# Altium PCB PCB_15122020_01CA.PcbDoc (part 1 of 5) (continued)
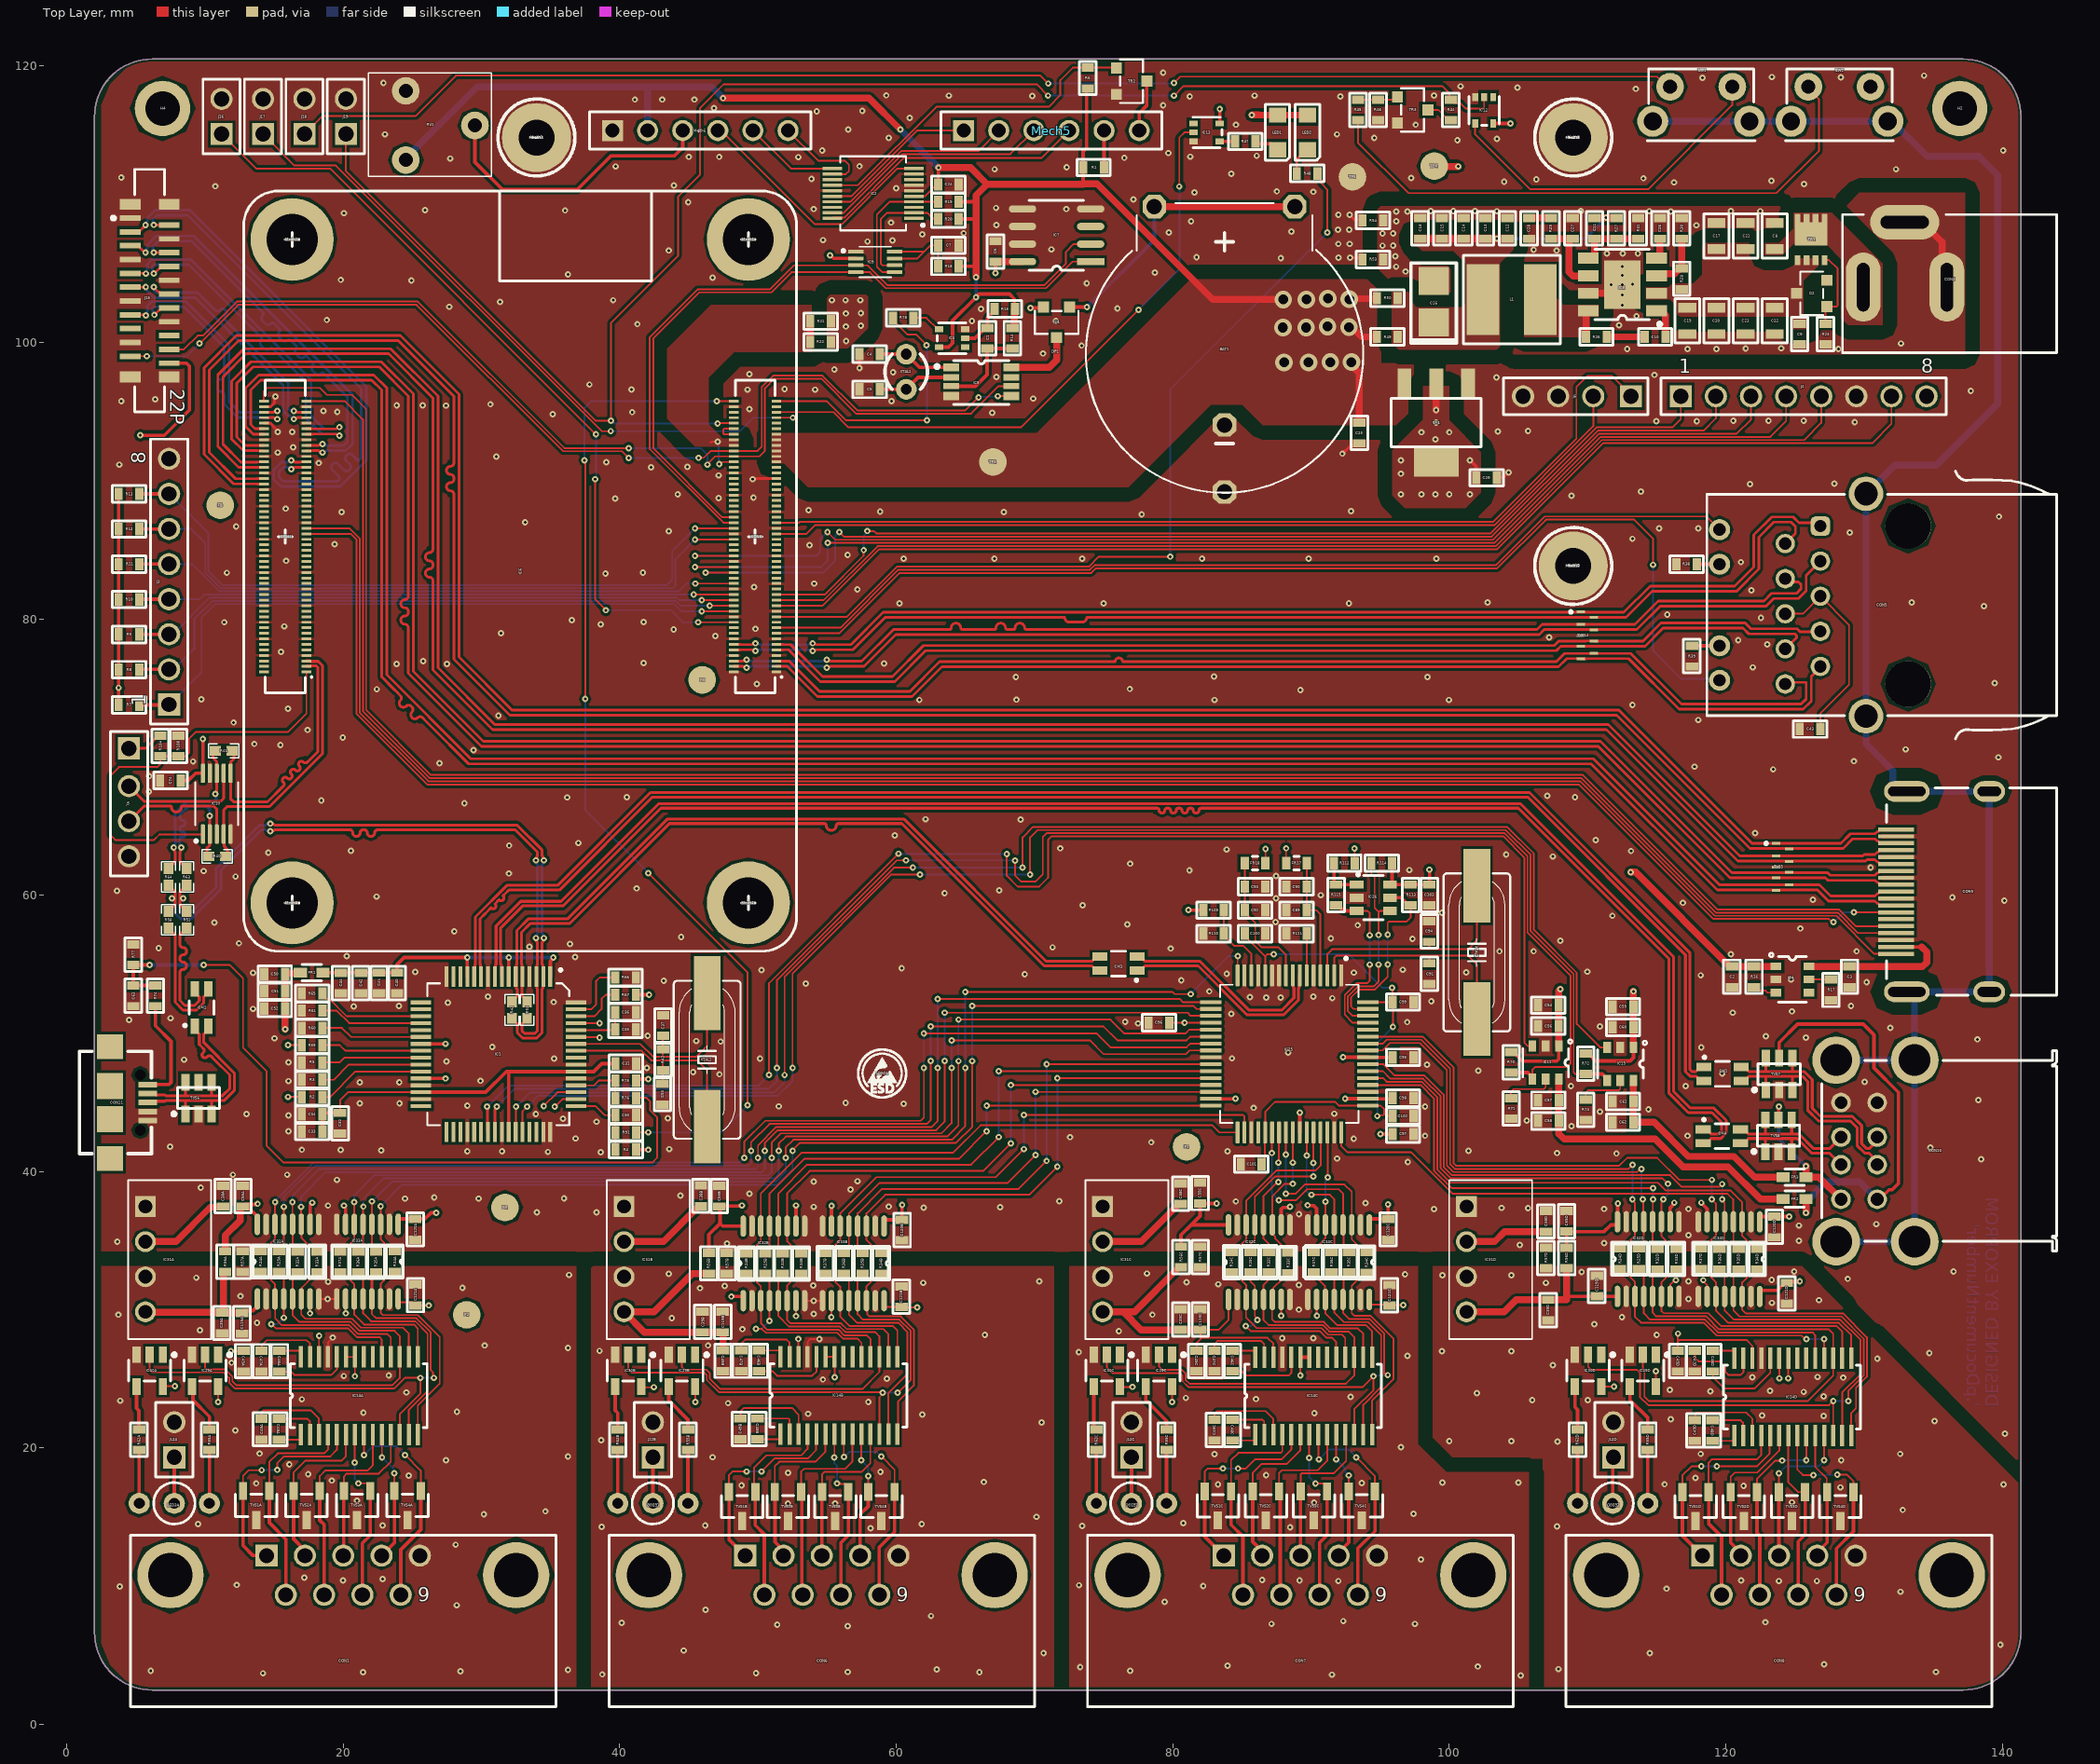
[diagram p0: Top Layer view]
## Components (designator, comment, footprint, x,y, rotation, side; value= is the part's Value field where it differs from the comment) (continued)
IC30B "SN74LVC1G04DBVR" SOT-23-5 40.618,25.6 r180 top (schematic designator IC30)
IC30C "SN74LVC1G04DBVR" SOT-23-5 75.236,25.6 r180 top (schematic designator IC30)
IC30D "SN74LVC1G04DBVR" SOT-23-5 110.045,25.6 r180 top (schematic designator IC30)
IC31A "RFM-0505S" RFM-0505S 7.439,33.625 r270 top (schematic designator IC31)
IC31B "RFM-0505S" RFM-0505S 42.057,33.625 r270 top (schematic designator IC31)
IC31C "RFM-0505S" RFM-0505S 76.676,33.625 r270 top (schematic designator IC31)
IC31D "RFM-0505S" RFM-0505S 103,33.625 r270 top (schematic designator IC31)
IC32A "SI8645BA-B-IUR" QSOP16 16.011,33.489 r90 top (schematic designator IC32)
IC32B "SI8645BA-B-IUR" QSOP16 51.154,33.364 r90 top (schematic designator IC32)
IC32C "SI8645BA-B-IUR" QSOP16 86.258,33.451 r90 top (schematic designator IC32)
IC32D "SI8645BA-B-IUR" QSOP16 114.395,33.675 r90 top (schematic designator IC32)
IC33A "SI8641BA-C-IUR" QSOP16 21.751,33.489 r270 top (schematic designator IC33)
IC33B "SI8641BA-C-IUR" QSOP16 56.894,33.364 r270 top (schematic designator IC33)
IC33C "SI8641BA-C-IUR" QSOP16 91.998,33.451 r270 top (schematic designator IC33)
IC33D "SI8641BA-C-IUR" QSOP16 120.241,33.667 r270 top (schematic designator IC33)
J1 "61300611821" 61300611821 45.825,115.325 r0 top
J2 "61300611821" 61300611821 71.225,115.325 r0 top
J3 "61300811121" 61300811121 7.4,82.69 r90 top
J4 "61300811121" 61300811121 125.64,96.1 r0 top
J5 "61300411121" 61300411121 4.5,66.625 r270 top
J6 "61300411121" 61300411121 109.15,96.1 r180 top
J12A "61300211121" 61300211121 7.779,20.6 r90 top (schematic designator J12)
J12B "61300211121" 61300211121 42.397,20.6 r90 top (schematic designator J12)
J12C "61300211121" 61300211121 77.016,20.6 r90 top (schematic designator J12)
J12D "61300211121" 61300211121 111.875,20.6 r90 top (schematic designator J12)
J15 "687322124422" 687322124422 6,103.745 r270 top
J16 "61300211121" 61300211121 11.196,116.345 r90 top
J17 "61300211121" 61300211121 14.196,116.345 r90 top
J18 "61300211121" 61300211121 17.196,116.345 r90 top
J19 "61300211121" 61300211121 20.196,116.345 r90 top
L1 "SRN6045TA-3R3Y" SRN6045TA 104.524,103.1 r180 top
LED1 "LTST-C171KRKT" 0805_RED 87.577,115.195 r270 top
LED2 "LTST-C171KRKT" 0805_RED 89.752,115.195 r270 top
LED3A "3RG9HC-1" 3RG9HC-1 7.779,16 r180 top (schematic designator LED3)
LED3B "3RG9HC-1" 3RG9HC-1 42.397,16 r180 top (schematic designator LED3)
LED3C "3RG9HC-1" 3RG9HC-1 77.016,16 r180 top (schematic designator LED3)
LED3D "3RG9HC-1" 3RG9HC-1 111.825,16 r180 top (schematic designator LED3)
LOGO1 "ESD" ESD 58.975,47.075 r0 top
LOGO2 "Etiket" ETIKET 20.25,22.05 r180 bottom
Mech1 "9774015151R" 9774015151 49.297,107.452 r0 top locked
Mech2 "9774015151R" 9774015151 16.297,107.452 r90 top locked
Mech3 "9774015151R" 9774015151 16.297,59.452 r90 top locked
Mech4 "9774015151R" 9774015151 49.297,59.452 r90 top locked
Mech5 "61300611121" 61300611121 71.225,115.325 r180 top
Mech6 "61300611121" 61300611121 45.825,115.325 r180 top
Mech7 "M2.5 x 16 Vida" "M2.5 x 16" 33.975,114.825 r90 top
Mech8 "M2.5 x 16 Vida" "M2.5 x 16" 108.975,114.825 r90 top
Mech9 "M2.5 x 16 Vida" "M2.5 x 16" 108.975,83.825 r90 top
Mech11 "YP-611" "YP-611 - 11 mm" 33.975,114.825 r90 top
Mech12 "YP-611" "YP-611 - 11 mm" 108.975,114.825 r90 top
Mech13 "YP-611" "YP-611 - 11 mm" 108.975,83.825 r90 top
Mech15 "M2.5 Somun" M2.5 33.975,114.825 r90 top
Mech16 "M2.5 Somun" M2.5 108.975,114.825 r90 top
Mech17 "M2.5 Somun" M2.5 108.975,83.825 r90 top
PAD1 "2.5mm" "2.5mm x 5mm" 33.975,114.825 r0 top
PAD2 "2.5mm" "2.5mm x 5mm" 108.975,114.825 r0 top
PAD3 "2.5mm" "2.5mm x 5mm" 108.975,83.825 r0 top
R1 "10R" R0603 74.275,112.65 r180 top
R2 "47K" R0603 17.746,45.4 r180 top
R3 "47K" R0603 17.746,46.65 r180 top
R4 "100K" R0603 40.437,41.587 r0 top
R5 "47K" R0603 17.746,47.9 r180 top
R6 "4K7" R0603 73.85,119.125 r270 top
R7 "10K" R0603 4.5,73.775 r180 top
R8 "10K" R0603 4.5,76.319 r180 top
R9 "10K" R0603 4.5,78.863 r180 top
R10 "10K" R0603 4.5,81.407 r180 top
R11 "10K" R0603 4.5,83.952 r180 top
R12 "10K" R0603 4.5,86.496 r180 top
R13 "10K" R0603 4.5,89.04 r180 top
R14 "510K" R0603 68.402,100.3 r90 top
R15 "510K" R0603 67.85,102.425 r0 top
R16 "10K" R0603 122.051,54.1 r90 top
R17 "47K" R0603 127.611,53.15 r90 top
R18 "200K" R0603 63.775,105.5 r0 top
R19 "2K2" R0603 63.775,110.175 r180 top
R20 "2K2" R0603 63.775,108.925 r180 top
R21 "0R" R0603 54.525,101.525 r0 top
R22 "0R" R0603 54.525,100.025 r0 top
R23 "12K" R0603 127.225,100.6 r90 top
R24A "0R" R0603 14.025,33.5 r270 top (schematic designator R24)
R24B "0R" R0603 49.154,33.35 r270 top (schematic designator R24)
R24C "0R" R0603 84.258,33.45 r270 top (schematic designator R24)
R24D "0R" R0603 112.355,33.7 r270 top (schematic designator R24)
R25A "0R" R0603 15.35,33.5 r270 top (schematic designator R25)
R25B "0R" R0603 50.525,33.35 r270 top (schematic designator R25)
R25C "0R" R0603 85.625,33.45 r270 top (schematic designator R25)
R25D "0R" R0603 113.715,33.7 r270 top (schematic designator R25)
R26 "10R" R0603 110.649,100.4 r180 top
R27 "12K" R0603 112.092,108.25 r90 top
R28 "10K" R0603 116.824,104.6 r270 top
R29 "20K" R0603 107.361,108.25 r90 top
R30 "10K" R0603 116.824,108.25 r90 top
R31 "2K2" R0603 113.67,108.25 r270 top
R32A "0R" R0603 16.7,33.475 r270 top (schematic designator R32)
R32B "0R" R0603 51.8,33.35 r270 top (schematic designator R32)
R32C "0R" R0603 86.95,33.45 r270 top (schematic designator R32)
R32D "0R" R0603 115.075,33.675 r270 top (schematic designator R32)
R33A "0R" R0603 18.125,33.475 r270 top (schematic designator R33)
R33B "0R" R0603 53.125,33.35 r270 top (schematic designator R33)
R33C "0R" R0603 88.35,33.4 r270 top (schematic designator R33)
R33D "0R" R0603 116.435,33.675 r270 top (schematic designator R33)
R34A "0R" R0603 23.725,33.5 r270 top (schematic designator R34)
R34B "0R" R0603 58.925,33.375 r270 top (schematic designator R34)
R34C "0R" R0603 94.025,33.425 r270 top (schematic designator R34)
R34D "0R" R0603 122.281,33.675 r270 top (schematic designator R34)
R35A "0R" R0603 22.375,33.475 r270 top (schematic designator R35)
R35B "0R" R0603 57.57,33.375 r270 top (schematic designator R35)
R35C "0R" R0603 92.75,33.45 r270 top (schematic designator R35)
R35D "0R" R0603 120.921,33.675 r270 top (schematic designator R35)
R36A "0R" R0603 21.075,33.475 r270 top (schematic designator R36)
R36B "0R" R0603 56.215,33.375 r270 top (schematic designator R36)
R36C "0R" R0603 91.5,33.45 r270 top (schematic designator R36)
R36D "0R" R0603 119.561,33.675 r270 top (schematic designator R36)
R37A "0R" R0603 19.775,33.475 r270 top (schematic designator R37)
R37B "0R" R0603 54.859,33.375 r270 top (schematic designator R37)
R37C "0R" R0603 90.2,33.45 r270 top (schematic designator R37)
R37D "0R" R0603 118.201,33.7 r270 top (schematic designator R37)
R38 "1K" R0603 117.175,83.95 r180 top
R39 "1K" R0603 117.55,77.3 r270 top
R40 "0R" R0402 10.875,62.815 r0 top
R41 "0R" R0402 11.35,70.45 r0 top
R42 "0R" R0402 32.2,51.7 r90 top
R43 "1M" R0603 43.121,48.094 r90 top
R44 "220R" R0603 100.122,116.818 r270 top
R45 "10K" R0603 93.402,116.818 r270 top
R46 "100K" R0603 94.852,116.818 r270 top
R47 "1K" R0603 85.252,114.545 r180 top
R48 "1K" R0603 89.725,112.225 r180 top
R49 "0R" R0603 95.524,100.4 r180 top
R50 "0R" R0603 95.524,103.2 r180 top
R51 "0R" R0402 8.675,58.225 r90 top
R52 "0R" R0402 33.3,51.7 r90 top
R53 "0R" R0603 94.475,106 r180 top
R54 "0R" R0603 94.475,108.825 r180 top
R55A "220R" R0603 10.325,20.6 r90 top (schematic designator R55)
R55B "220R" R0603 44.937,20.6 r90 top (schematic designator R55)
R55C "220R" R0603 79.556,20.6 r90 top (schematic designator R55)
R55D "220R" R0603 114.365,20.6 r90 top (schematic designator R55)
R56A "0R" R0603 11.456,33.489 r270 top (schematic designator R56)
R56B "0R" R0603 46.454,33.364 r270 top (schematic designator R56)
R56C "0R" R0603 80.6,33.825 r270 top (schematic designator R56)
R56D "0R" R0603 108.5,33.75 r270 top (schematic designator R56)
R57A "0R" R0603 12.711,33.489 r270 top (schematic designator R57)
R57B "0R" R0603 47.754,33.364 r270 top (schematic designator R57)
R57C "0R" R0603 82,33.826 r270 top (schematic designator R57)
R57D "0R" R0603 107,33.75 r270 top (schematic designator R57)
R58 "0R" R0402 7.35,58.225 r90 top
R59 "47K" R0603 17.746,49.15 r180 top
R60 "47K" R0603 17.746,50.4 r180 top
R61 "47K" R0603 17.746,51.65 r180 top
R62A "220R" R0603 5.225,20.6 r270 top (schematic designator R62)
R62B "220R" R0603 39.857,20.6 r270 top (schematic designator R62)
R62C "220R" R0603 74.476,20.6 r270 top (schematic designator R62)
R62D "220R" R0603 109.285,20.6 r270 top (schematic designator R62)
R63 "0R" R0402 8.675,61.325 r90 top
R64 "0R" R0402 7.35,61.325 r90 top
R65 "47K" R0603 17.746,52.9 r180 top
R66 "12K" R0603 40.421,54.046 r0 top
R67 "10K" R0603 40.421,52.796 r0 top
R70 "10K" R0603 104.475,47.91 r90 top
R71 "30K" R0603 104.475,44.571 r270 top
R72 "10K" R0603 109.873,47.814 r90 top
R73 "30K" R0603 109.873,44.475 r270 top
R74 "330K" R0603 6.414,52.725 r270 top
R75 "0R" R0603 40.437,46.587 r0 top
R76 "0R" R0603 40.437,45.337 r0 top
R77 "100K" R0603 4.814,55.7 r270 top
R78 "0R" R0603 60.5,101.775 r180 top
R91 "0R" R0603 40.437,42.837 r180 top
R104 "2K2" R0603 6.768,70.8 r90 top
R108 "2K2" R0603 8.075,70.8 r270 top
R109 "1K" R0603 82.957,58.921 r0 top
R110 "100K" R0603 82.957,57.221 r0 top
R111 "12K" R0603 88.957,57.221 r0 top
R112 "10K" R0603 92.416,62.321 r0 top
R113 "10K" R0603 97.209,60.025 r90 top
R114 "10K" R0603 95.116,62.321 r0 top
R115 "10K" R0603 91.816,60.021 r270 top
RV1 "L-KLS4-WH06-2A-103" L-KLS4-WH06-2A-103 27.025,115.7 r180 top
SW1 "FSMRACDAH" FSMRACDAH 118.225,116 r180 top
SW2 "FSMRACDAH" FSMRACDAH 128.225,116 r180 top
TP3 "TestPoint1" SMD_2mmPoint 67,91.35 r0 top
TP4 "TestPoint1" SMD_2mmPoint 98.925,112.75 r0 top
TP5 "TestPoint1" SMD_2mmPoint 93,111.975 r0 top
TR1 "DMP3013SFV-7" PowerDI3333-8 126.176,107.45 r0 top
TR2 "BC847,215" SOT23 77.025,118.9 r270 top
TR3 "BC847,215" SOT23 97.352,116.818 r270 top
TVS1A "PESD12VL2BT,215" SOT-23 13.704,15.846 r180 top (schematic designator TVS1)
TVS1B "PESD12VL2BT,215" SOT-23 48.856,15.773 r180 top (schematic designator TVS1)
TVS1C "PESD12VL2BT,215" SOT-23 83.27,15.817 r180 top (schematic designator TVS1)
TVS1D "PESD12VL2BT,215" SOT-23 117.818,15.762 r180 top (schematic designator TVS1)
TVS2A "PESD12VL2BT,215" SOT-23 17.35,15.846 r180 top (schematic designator TVS2)
TVS2B "PESD12VL2BT,215" SOT-23 52.168,15.773 r180 top (schematic designator TVS2)
TVS2C "PESD12VL2BT,215" SOT-23 86.741,15.817 r180 top (schematic designator TVS2)
TVS2D "PESD12VL2BT,215" SOT-23 121.308,15.762 r180 top (schematic designator TVS2)
TVS3A "PESD12VL2BT,215" SOT-23 21.004,15.846 r180 top (schematic designator TVS3)
TVS3B "PESD12VL2BT,215" SOT-23 55.587,15.773 r180 top (schematic designator TVS3)
TVS3C "PESD12VL2BT,215" SOT-23 90.211,15.817 r180 top (schematic designator TVS3)
TVS3D "PESD12VL2BT,215" SOT-23 124.799,15.762 r180 top (schematic designator TVS3)
TVS4A "PESD12VL2BT,215" SOT-23 24.654,15.846 r180 top (schematic designator TVS4)
TVS4B "PESD12VL2BT,215" SOT-23 58.932,15.773 r180 top (schematic designator TVS4)
TVS4C "PESD12VL2BT,215" SOT-23 93.682,15.817 r180 top (schematic designator TVS4)
TVS4D "PESD12VL2BT,215" SOT-23 128.29,15.762 r180 top (schematic designator TVS4)
TVS5 "824014885" WE-TVS_DFN3810-9L 124.125,62.05 r270 top
TVS6 "824015" SOT-23-6 9.525,45.32 r0 top
TVS7 "824015" SOT-23-6 123.865,47.06 r0 top
TVS8 "824015" SOT-23-6 123.824,42.598 r0 top
TVS12 "824014885" WE-TVS_DFN3810-9L 110,78.8 r270 top
VR1 "LM1117MPX-3.3/NOPB" SOT223-3 99.062,94.2 r180 top
XTAL1 "32768Hz" ForkCrystal 60.725,97.875 r270 top
XTAL2 "24.000MHZ" CRYSTALSMD 46.321,48.094 r270 top
XTAL3 "ABLS2-12.000MHZ-D4Y-T" CRYSTALSMD 102,55.862 r270 top

## Footprints (in the part's own frame and the unit in brackets; to place one, negate y for a bottom-side part, rotate by r counter-clockwise, add the part's x,y. Pads: shape width x height; smd on the part's side, far side on the other; paste and mask are expansions set on the pad)
"2.5mm hole" [mm]
  round 4 hole 2.5 mask+0: 1(0,0)
"2.5mm x 5mm" [mm]
  round 5 hole 2.6: 1(0,0)
  silkscreen extent -2.78,-2.78 2.79,2.78
"2mm Fiducial"#1 [mm] "2mm Fiducial"
  round 2 smd mask+0: 1(-0.53,0.416)
"2mm Fiducial"#2 [mm] "2mm Fiducial"
  round 2 smd mask+0: 1(-0.2,-0.252)
"2mm Fiducial"#3 [mm] "2mm Fiducial"
  round 2 smd mask+0: 1(-0.516,0.423)
"2mm Fiducial"#4 [mm] "2mm Fiducial"
  round 2 smd mask+0: 1(0.213,-0.282)
"2mm Fiducial"#5 [mm] "2mm Fiducial"
  round 2 smd mask+0: 1(-0.297,0.064)
3RG9HC-1 [mil] "3RG9HC-1"
  round 60 hole 31.5: 1(-100,0) 2(0,0) 3(100,0)
  silkscreen extent -59,-59 59,59, body extent -114,-67 114,79, height 272
0805_RED [mm]
  rect 1.1x1.25 smd: 1(-1.25,0) 2(1.25,0)
  silkscreen extent -2.03,-0.89 2.03,0.89, body extent -1.05,-0.67 1.05,0.68, height 0.92
2086581101 [mm]
  rect 0.3x2.6 smd: 1(4.5,0) 2(4,0) 3(3.5,0) 4(3,0) 5(2.5,0) 6(2,0) 7(1.5,0) 8(1,0) 9(0.5,0) 10(0,0) 11(-0.5,0) 12(-1,0) 13(-1.5,0) 14(-2,0) 15(-2.5,0) 16(-3,0) 17(-3.5,0) 18(-4,0) 19(-4.5,0)
  oval 1.5x2.3 hole 1.7 slot 0.7 at 0 deg: 20(-7.25,-6.72) 20(7.25,-6.72)
  oval 1.5x3.3 hole 2.7 slot 0.7 at 0 deg: 20(-7.25,-0.76) 20(7.25,-0.76)
  silkscreen extent -7.5,-11.61 7.5,0.7, body extent -7.5,-11.7 7.5,0.71, height 6.19
9774015151 [mm] "SMT Steel Spacer with internal Thread M2.5, height 1.5mm"
  round 6 / inner round 0 / far side round 0 hole 3.7 unplated: 1(0,0)
  body extent -2.55,-2.55 2.55,2.55, height 1.5
61300211121 [mm] "Pin Header, pitch 2.54 mm, THT, Vertical, single row, 2p"
  rect 1.6x1.6 hole 1.1: 1(-1.27,0)
  round 1.6 hole 1.1: 2(1.27,0)
  silkscreen extent -2.69,-1.35 2.69,1.35, body extent -2.54,-1.27 2.54,1.27, height 8.57
61300411121 [mm] "Pin Header, pitch 2.54 mm, THT, Vertical, single row, 4p"
  rect 1.6x1.6 hole 1.1: 1(-4,0)
  round 1.6 hole 1.1: 2(-1.27,0) 3(1.27,0) 4(3.81,0)
  silkscreen extent -5.23,-1.35 5.23,1.35, body extent -5.08,-1.27 5.08,1.27, height 8.55
61300611121 [mm] "Pin Header, pitch 2.54 mm, THT, Vertical, single row, 6p"
  body extent -7.62,-1.27 7.62,1.27, height 14.05
61300611821 [mm] "Socket Header, Pitch 2.54 mm, THT, Vertical, single row, 6p"
  rect 1.52x1.52 hole 1.02: 1(-6.35,0)
  round 1.52 hole 1.02: 2(-3.81,0) 3(-1.27,0) 4(1.27,0) 5(3.81,0) 6(6.35,0)
  silkscreen extent -8,-1.35 8,1.35, body extent -7.87,-1.25 7.87,1.25, height 8.55
61300811121 [mm] "Pin Header, pitch 2.54 mm, THT, Vertical, single row, 8p"
  rect 1.6x1.6 hole 1.1: 1(-8.89,0)
  round 1.6 hole 1.1: 2(-6.35,0) 3(-3.81,0) 4(-1.27,0) 5(1.27,0) 6(3.81,0) 7(6.35,0) 8(8.89,0)
  silkscreen extent -10.31,-1.35 10.31,1.35, body extent -10.16,-1.27 10.16,1.27, height 8.57
61400826021 [mm] "USB 2.0 Type A Horizontal Dual Stacked"
  round 1.42 hole 0.92: A1(-3.5,7.11) A2(-1,7.11) A3(1,7.11) A4(3.5,7.11) B1(-3.5,4.49) B2(-1,4.49) B3(1,4.49) B4(3.5,4.49)
  round 3.45 hole 2.3: Shell(-6.57,1.78) Shell(-6.57,7.46) Shell(6.57,1.78) Shell(6.57,7.46)
  silkscreen extent -7.25,-8.5 7.25,8.5, body extent -7.91,-8.5 7.91,8.65, height 15.99
618009231221 [mm] "9 pins, right angled, 8.08mm, with hex screw"
  rect 1.6x1.6 hole 1.09: 1(-5.54,4.72)
  round 1.6 hole 1.09: 2(-2.77,4.72) 3(0,4.72) 4(2.77,4.72) 5(5.54,4.72) 6(-4.155,1.88) 7(-1.385,1.88) 8(1.385,1.88) 9(4.155,1.88)
  round 4.8 hole 3.2: M1(-12.5,3.3) M2(12.5,3.3)
  silkscreen extent -15.4,-6.2 15.4,6.2, body extent -15.4,-12.2 15.4,6.2, height 12.55
687322124422 [mm] "ZIF Connectors, Vertical, Type A, pitch 0.5mm, 22p"
  rect 0.4x1.5 smd: 1(-5.25,-1.4) 2(-4.75,1.4) 3(-4.25,-1.4) 4(-3.75,1.4) 5(-3.25,-1.4) 6(-2.75,1.4) 7(-2.25,-1.4) 8(-1.75,1.4) 9(-1.25,-1.4) 10(-0.75,1.4) 11(-0.25,-1.4) 12(0.25,1.4) 13(0.75,-1.4) 14(1.25,1.4) 15(1.75,-1.4) 16(2.25,1.4) 17(2.75,-1.4) 18(3.25,1.4) 19(3.75,-1.4) 20(4.25,1.4) 21(4.75,-1.4) 22(5.25,1.4)
  rect 0.8x1.5 smd: MP1(-6.25,-1.4) MP2(-6.25,1.4) MP3(6.25,-1.4) MP4(6.25,1.4)
  silkscreen extent -8.77,-2.75 8.78,1.07, body extent -8.7,-1.75 8.7,1.75, height 4.92
C0603 [mm]
  rect 0.6x0.9 smd: 1(-0.75,0) 2(0.75,0)
  silkscreen extent -1.21,-0.6 1.21,0.6, body extent -0.8,-0.4 0.8,0.4, height 0.8
C0805 [mm]
  rect 0.7x1.3 smd: 1(-0.95,0) 2(0.95,0)
  silkscreen extent -1.6,-0.9 1.6,0.9, body extent -1,-0.62 1,0.62, height 0.81
CM4_BOARD_SIDE [mm]
  silkscreen extent -27.5,-20 27.5,20, body extent -27.5,-20 27.5,20, height 5.15
CR2032H [mil]
  oct 66.93x66.93 / inner oct 60x60 / far side oct 66.93x66.93 hole 44: 1(-200,425) 1(200,425) 2(0,-387.48) 2(0,-196.85)
  silkscreen extent -395,-390 395,435, body extent -396,-376 396,431, height 213
CRYSTALSMD [mil]
  rect 210x76 smd: 1(-190,0) 2(190,0)
  silkscreen extent -225,-95 225,95, body extent -252,-95 252,95, height 170
CT3528 [mm]
  rect 2x2.2 smd: 1(-1.5,0) 2(1.5,0)
  silkscreen extent -3.12,-1.65 2.8,1.65, body extent -1.85,-1.46 1.85,1.47, height 2.02
DGV20 [mm]
  rect 1.404x0.229 smd paste+0 mask+0: 1(-2.95,1.8) 2(-2.95,1.4) 3(-2.95,1) 4(-2.95,0.6) 5(-2.95,0.2) 6(-2.95,-0.2) 7(-2.95,-0.6) 8(-2.95,-1) 9(-2.95,-1.4) 10(-2.95,-1.8) 11(2.95,-1.8) 12(2.95,-1.4) 13(2.95,-1) 14(2.95,-0.6) 15(2.95,-0.2) 16(2.95,0.2) 17(2.95,0.6) 18(2.95,1) 19(2.95,1.4) 20(2.95,1.8)
  silkscreen extent -3.7,-2.68 2.37,2.68, body extent -3.3,-2.55 3.3,2.55, height 1.2
ESD [mm]
  silkscreen extent -1.8,-1.73 1.8,1.83
ETIKET [mm]
  silkscreen extent -10,-5 10,5
ForkCrystal [mm]
  round 1.5 hole 0.8: 1(-1.27,0) 2(1.27,0)
  silkscreen extent -1.27,-1.54 1.27,1.54, body extent -1.72,-1.6 1.73,1.6, height 8.27
FR_0603 [mm]
  rect 0.6x0.9 smd: 1(-0.75,0) 2(0.75,0)
  silkscreen extent -0.2,-0.5 0.2,0.5, body extent -0.8,-0.4 0.8,0.4, height 0.81
FSMRACDAH [mm]
  round 2 hole 1: 1(-2.25,-2.5) 2(2.25,-2.5)
  round 2.25 hole 1.3: 3(-3.5,0) 3(3.5,0)
  silkscreen extent -3.9,-3.8 3.9,1.4, body extent -4.2,-8.84 4.2,1.51, height 7.32
HRS_DF40C-100DS-0.4V(51) [mm]
  rect 0.2x0.7 smd: 1(-9.8,-1.54) 2(-9.8,1.54) 3(-9.4,-1.54) 4(-9.4,1.54) 5(-9,-1.54) 6(-9,1.54) 7(-8.6,-1.54) 8(-8.6,1.54) 9(-8.2,-1.54) 10(-8.2,1.54) 11(-7.8,-1.54) 12(-7.8,1.54) 13(-7.4,-1.54) 14(-7.4,1.54) 15(-7,-1.54) 16(-7,1.54) 17(-6.6,-1.54) 18(-6.6,1.54) 19(-6.2,-1.54) 20(-6.2,1.54) 21(-5.8,-1.54) 22(-5.8,1.54) 23(-5.4,-1.54) 24(-5.4,1.54) 25(-5,-1.54) 26(-5,1.54) 27(-4.6,-1.54) 28(-4.6,1.54) 29(-4.2,-1.54) 30(-4.2,1.54) 31(-3.8,-1.54) 32(-3.8,1.54) 33(-3.4,-1.54) 34(-3.4,1.54) 35(-3,-1.54) 36(-3,1.54) 37(-2.6,-1.54) 38(-2.6,1.54) 39(-2.2,-1.54) 40(-2.2,1.54) 41(-1.8,-1.54) 42(-1.8,1.54) 43(-1.4,-1.54) 44(-1.4,1.54) 45(-1,-1.54) 46(-1,1.54) 47(-0.6,-1.54) 48(-0.6,1.54) 49(-0.2,-1.54) 50(-0.2,1.54) 51(0.2,-1.54) 52(0.2,1.54) 53(0.6,-1.54) 54(0.6,1.54) 55(1,-1.54) 56(1,1.54) 57(1.4,-1.54) 58(1.4,1.54) 59(1.8,-1.54) 60(1.8,1.54) 61(2.2,-1.54) 62(2.2,1.54) 63(2.6,-1.54) 64(2.6,1.54) 65(3,-1.54) 66(3,1.54) 67(3.4,-1.54) 68(3.4,1.54) 69(3.8,-1.54) 70(3.8,1.54) 71(4.2,-1.54) 72(4.2,1.54) 73(4.6,-1.54) 74(4.6,1.54) 75(5,-1.54) 76(5,1.54) 77(5.4,-1.54) 78(5.4,1.54) 79(5.8,-1.54) 80(5.8,1.54) 81(6.2,-1.54) 82(6.2,1.54) 83(6.6,-1.54) 84(6.6,1.54) 85(7,-1.54) 86(7,1.54) 87(7.4,-1.54) 88(7.4,1.54) 89(7.8,-1.54) 90(7.8,1.54) 91(8.2,-1.54) 92(8.2,1.54) 93(8.6,-1.54) 94(8.6,1.54) 95(9,-1.54) 96(9,1.54) 97(9.4,-1.54) 98(9.4,1.54) 99(9.8,-1.54) 100(9.8,1.54)
  silkscreen extent -11.3,-1.91 11.3,1.44, body extent -11.3,-1.69 11.3,1.69, height 1.61
L-KLS1-DC-005A-2.0 [mm]
  oval 2.5x5 hole 0.9 slot 3.5 at 90 deg: 1(13.75,0) 2(7.7,0)
  oval 5x2.5 hole 3.5 slot 0.9 at 90 deg: 3(10.75,-4.7)
  silkscreen extent -0.25,-5.25 15.25,4.75, body extent 0,-5 14.5,4.5, height 10.71
L-KLS4-WH06-2A-103 [mm]
  round 2 hole 1: 1(2.5,-2.5) 2(2.5,2.5) 3(-2.5,0)
  silkscreen extent -3.7,-3.8 5.2,3.7, body extent -3.38,-3.4 4.88,3.41, height 7.62
L-KLS12-TL191-1X1-GY/G-0 [mm] "LAN Transformer, body 21.3x16mm"
  rrect50% 1.4x1.4 hole 0.9: 1(5.715,6.35)
  round 1.4 hole 0.9: 2(4.445,8.89) 3(3.175,6.35) 4(1.905,8.89) 5(0.635,6.35) 6(-0.635,8.89) 7(-1.905,6.35) 8(-3.175,8.89) 9(-4.445,6.35) 10(-5.715,8.89)
  round 1.52 hole 0.9: 11(5.45,13.64) 12(2.95,13.64) 13(-2.95,13.64) 14(-5.45,13.64)
  round 3.3 hole 3.3 unplated: MH1(-5.715,0) MH2(5.715,0)
  round 2.5 hole 1.7: Shell(-8.05,3.05) Shell(8.05,3.05)
  silkscreen extent -9.68,-10.74 9.68,14.56, body extent -8.2,-10.85 8.2,14.45, height 13.51
M2.5 [mm]
  body extent -2.77,-2.8 2.77,2.8
"M2.5 x 16" [mm]
  body extent -2.48,-2.57 2.52,2.43, height 14.2
MSOP-10N [mm]
  rrect50% 1.4x0.3 smd: 1(-2.2,1) 2(-2.2,0.5) 3(-2.2,0) 4(-2.2,-0.5) 5(-2.2,-1) 6(2.2,-1) 7(2.2,-0.5) 8(2.2,0) 9(2.2,0.5) 10(2.2,1)
  silkscreen extent -2.8,-1.55 1.55,1.6, body extent -2.46,-1.5 2.46,1.5, height 1
PowerDI3333-8 [mm]
  rect 0.42x0.7 smd: 1(-0.975,-1.5) 1(-0.325,-1.5) 1(0.325,-1.5) 2(0.975,-1.5) 3(-0.975,1.5) 3(-0.325,1.5) 3(0.325,1.5) 3(0.975,1.5)
  rect 2.37x1.71 smd: 3(0,0.4)
  body extent -1.65,-1.65 1.65,1.65, height 0.76
QFP50P1200X1200X160-64N [mm]
  rrect25% 1.56x0.28 smd: 1(-5.68,3.75) 2(-5.68,3.25) 3(-5.68,2.75) 4(-5.68,2.25) 5(-5.68,1.75) 6(-5.68,1.25) 7(-5.68,0.75) 8(-5.68,0.25) 9(-5.68,-0.25) 10(-5.68,-0.75) 11(-5.68,-1.25) 12(-5.68,-1.75) 13(-5.68,-2.25) 14(-5.68,-2.75) 15(-5.68,-3.25) 16(-5.68,-3.75) 33(5.68,-3.75) 34(5.68,-3.25) 35(5.68,-2.75) 36(5.68,-2.25) 37(5.68,-1.75) 38(5.68,-1.25) 39(5.68,-0.75) 40(5.68,-0.25) 41(5.68,0.25) 42(5.68,0.75) 43(5.68,1.25) 44(5.68,1.75) 45(5.68,2.25) 46(5.68,2.75) 47(5.68,3.25) 48(5.68,3.75)
  rrect25% 0.28x1.56 smd: 17(-3.75,-5.68) 18(-3.25,-5.68) 19(-2.75,-5.68) 20(-2.25,-5.68) 21(-1.75,-5.68) 22(-1.25,-5.68) 23(-0.75,-5.68) 24(-0.25,-5.68) 25(0.25,-5.68) 26(0.75,-5.68) 27(1.25,-5.68) 28(1.75,-5.68) 29(2.25,-5.68) 30(2.75,-5.68) 31(3.25,-5.68) 32(3.75,-5.68) 49(3.75,5.68) 50(3.25,5.68) 51(2.75,5.68) 52(2.25,5.68) 53(1.75,5.68) 54(1.25,5.68) 55(0.75,5.68) 56(0.25,5.68) 57(-0.25,5.68) 58(-0.75,5.68) 59(-1.25,5.68) 60(-1.75,5.68) 61(-2.25,5.68) 62(-2.75,5.68) 63(-3.25,5.68) 64(-3.75,5.68)
  silkscreen extent -7,-5 5,5, body extent -6,-6 6,6, height 1.61
QSOP16 [mm]
  oval 1.55x0.4 smd: 1(-2.7,2.222) 2(-2.7,1.587) 3(-2.7,0.952) 4(-2.7,0.317) 5(-2.7,-0.318) 6(-2.7,-0.953) 7(-2.7,-1.588) 8(-2.7,-2.222) 9(2.7,-2.222) 10(2.7,-1.587) 11(2.7,-0.952) 12(2.7,-0.317) 13(2.7,0.318) 14(2.7,0.953) 15(2.7,1.588) 16(2.7,2.222)
  silkscreen extent -1.09,-2.54 1.09,2.54, body extent -3.01,-2.49 3.01,2.49, height 1.81
R0402 [mm]
  rect 0.8x0.7 smd: 1(-0.6,0) 2(0.6,0)
  silkscreen extent -1.1,-0.5 1.1,0.5, body extent -0.5,-0.25 0.5,0.25, height 0.36
R0603 [mm]
  rect 0.6x0.9 smd: 1(-0.75,0) 2(0.75,0)
  silkscreen extent -1.21,-0.6 1.21,0.6, body extent -0.8,-0.4 0.8,0.4, height 0.46
RFM-0505S [mm] "dc-dc modul"
  rect 1.508x1.508 hole 1: 1(-3.85,-1.75)
  round 1.508 hole 1: 2(-1.31,-1.75) 3(1.23,-1.75) 4(3.77,-1.75)
  silkscreen extent -5.75,-3 5.75,3, body extent -5.75,-3.02 5.75,3.03, height 7.71
SMD_2mmPoint [mm]
  round 2 smd: 1(0,0)
SO08 [mm]
  rect 1.98x0.53 smd: 1(-2.465,1.905)
  oval 1.98x0.53 smd: 2(-2.465,0.635) 3(-2.465,-0.635) 4(-2.465,-1.905) 5(2.465,-1.905) 6(2.465,-0.635) 7(2.465,0.635) 8(2.465,1.905)
  silkscreen extent -1.96,-2.54 1.98,2.54, body extent -2.89,-2.45 2.89,2.45, height 1.46
SO-8EP [mm]
  rect 1.505x0.802 smd: 1(-2.465,1.905) 2(-2.465,0.635) 3(-2.465,-0.635) 4(-2.465,-1.905) 5(2.465,-1.905) 6(2.465,-0.635) 7(2.465,0.635) 8(2.465,1.905)
  rect 2.613x3.502 smd: 9(0,0)
  silkscreen extent -2.83,-2.54 1.98,3, body extent -2.89,-2.45 2.89,2.45, height 1.46
SOP50P310X90-8N [mm]
  rrect25% 1.12x0.27 smd: 1(-1.405,0.75) 2(-1.405,0.25) 3(-1.405,-0.25) 4(-1.405,-0.75) 5(1.405,-0.75) 6(1.405,-0.25) 7(1.405,0.25) 8(1.405,0.75)
  silkscreen extent -2.4,-1.1 1.15,1.1, body extent -1.55,-1 1.59,1, height 0.91
SOT23 [mm]
  rect 0.8x0.8 smd: 1(-0.95,-1.1) 2(0.95,-1.1) 3(0,1.1)
  silkscreen extent -1.58,-0.82 1.58,0.82, body extent -1.5,-1.25 1.5,1.25, height 1.11
SOT23-6 [mm]
  rect 0.55x0.8 smd: 1(-0.95,-1.2) 2(0,-1.2) 3(0.95,-1.2) 4(0.95,1.2) 5(0,1.2) 6(-0.95,1.2)
  silkscreen extent -1.92,-1.66 1.65,1.02, body extent -1.45,-1.4 1.45,1.4, height 1.45
SOT223-3 [mm]
  rect 1x2.2 smd: 1(-2.3,-2.8) 2(0,-2.8) 3(2.3,-2.8)
  rect 3.25x2.2 smd: 4(0,2.8)
  silkscreen extent -3.25,-1.75 3.25,1.75, body extent -3.25,-3.5 3.25,3.5, height 1.7
SOT353 [mm]
  rect 0.6x0.42 smd paste+0 mask+0.051: 1(-0.95,0.65) 2(-0.95,0) 3(-0.95,-0.65) 4(0.95,-0.65) 5(0.95,0.65)
  silkscreen extent -1,-1.1 1.1,1.1, body extent -1.1,-1 1.1,1, height 0.96
SOT505-1 [mm]
  rect 1.15x0.6 smd: 1(-2.175,1.042) 4(-2.175,-1.042) 5(2.175,-1.042) 8(2.175,1.042)
  rect 1.15x0.45 smd: 2(-2.175,0.318) 3(-2.175,-0.318) 6(2.175,-0.318) 7(2.175,0.318)
  silkscreen extent -3.33,-1.65 2,1.54, body extent -2.05,-1.55 2.05,1.55, height 1.1
"SOT 23-6" [mm]
  rect 0.6x1 smd: 1(-0.95,-1.2) 2(0,-1.2) 3(0.95,-1.2) 4(0.95,1.2) 5(0,1.2) 6(-0.95,1.2)
  silkscreen extent -1.77,-1.2 1.6,0.7, body extent -1.45,-1.4 1.45,1.4, height 1.45
SOT-23 [mm]
  rect 0.6x1.3 smd: 1(-0.95,-1.05) 2(0.95,-1.05) 3(0,1.05)
  silkscreen extent -1.5,-0.8 1.5,0.8, body extent -1.45,-1.4 1.45,1.4, height 1.28
SOT-23-5 [mm]
  rect 0.6x1.2 smd: 1(-0.95,-1.15) 2(0,-1.15) 3(0.95,-1.15) 4(0.95,1.15) 5(-0.95,1.15)
  silkscreen extent -1.91,-1.27 1.52,0.76, body extent -1.5,-1.25 1.5,1.25, height 1.11
SOT-23-6 [mm]
  rect 0.6x1.2 smd: 1(-0.95,-1.15) 2(0,-1.15) 3(0.95,-1.15) 4(0.95,1.15) 5(0,1.15) 6(-0.95,1.15)
  silkscreen extent -1.9,-1.27 1.52,0.76, body extent -1.45,-1.4 1.45,1.4, height 1.45
SRN6045TA [mm]
  rect 2.35x5.1 smd: 1(-2.075,0) 2(2.075,0)
  silkscreen extent -3.5,-3.2 3.5,3.2, body extent -3,-3 3,3, height 4.21
TQFP64 [mil]
  rect 57.56x11 smd paste+0 mask+0: 1(-221,147.64) 2(-221,127.95) 3(-221,108.27) 4(-221,88.58) 5(-221,68.9) 6(-221,49.21) 7(-221,29.53) 8(-221,9.84) 9(-221,-9.84) 10(-221,-29.53) 11(-221,-49.21) 12(-221,-68.9) 13(-221,-88.58) 14(-221,-108.27) 15(-221,-127.95) 16(-221,-147.64) 33(221,-147.64) 34(221,-127.95) 35(221,-108.27) 36(221,-88.58) 37(221,-68.9) 38(221,-49.21) 39(221,-29.53) 40(221,-9.84) 41(221,9.84) 42(221,29.53) 43(221,49.21) 44(221,68.9) 45(221,88.58) 46(221,108.27) 47(221,127.95) 48(221,147.64)
  rect 11x57.56 smd paste+0 mask+0: 17(-147.64,-221) 18(-127.95,-221) 19(-108.27,-221) 20(-88.58,-221) 21(-68.9,-221) 22(-49.21,-221) 23(-29.53,-221) 24(-9.84,-221) 25(9.84,-221) 26(29.53,-221) 27(49.21,-221) 28(68.9,-221) 29(88.58,-221) 30(108.27,-221) 31(127.95,-221) 32(147.64,-221) 49(147.64,221) 50(127.95,221) 51(108.27,221) 52(88.58,221) 53(68.9,221) 54(49.21,221) 55(29.53,221) 56(9.84,221) 57(-9.84,221) 58(-29.53,221) 59(-49.21,221) 60(-68.9,221) 61(-88.58,221) 62(-108.27,221) 63(-127.95,221) 64(-147.64,221)
  silkscreen extent -244,-202 202,202, body extent -236,-236 236,236, height 47
TSSOP-28 [mm]
  rect 1.55x0.3 smd: 1(-2.8,4.225) 2(-2.8,3.575) 3(-2.8,2.925) 4(-2.8,2.275) 5(-2.8,1.625) 6(-2.8,0.975) 7(-2.8,0.325) 8(-2.8,-0.325) 9(-2.8,-0.975) 10(-2.8,-1.625) 11(-2.8,-2.275) 12(-2.8,-2.925) 13(-2.8,-3.575) 14(-2.8,-4.225) 15(2.8,-4.225) 16(2.8,-3.575) 17(2.8,-2.925) 18(2.8,-2.275) 19(2.8,-1.625) 20(2.8,-0.975) 21(2.8,-0.325) 22(2.8,0.325) 23(2.8,0.975) 24(2.8,1.625) 25(2.8,2.275) 26(2.8,2.925) 27(2.8,3.575) 28(2.8,4.225)
  silkscreen extent -2.3,-4.9 2.3,5, body extent -3.2,-4.85 3.2,4.85, height 1.21
"USB CON B FEMALE" [mm]
  rect 0.4x1.35 smd: 1(-1.3,1.22) 2(-0.65,1.22) 3(0,1.22) 4(0.65,1.22) 5(1.3,1.22)
  round 0 hole 0.8: 7(2,0.7) 8(-2,0.7)
  rect 1.8x1.9 smd: ""(-4.05,-1.5) ""(4.05,-1.5)
  rect 1.9x1.9 smd: ""(-1.2,-1.5) ""(1.2,-1.5)
  silkscreen extent -3.7,-3.7 3.7,1.5, body extent -4.1,-4.08 4.1,1.85, height 2.74
"WE-CBF_0603_High Current" [mm] "SMD EMI Suppression Ferrite  Bead, body 1.6x0.8mm"
  rect 0.95x0.7 smd: 1(-0.825,0) 2(0.825,0)
  silkscreen extent -0.7,-0.6 0.7,0.6, body extent -0.8,-0.4 0.8,0.4, height 0.8
WE-CNSW_1206 [mm] "SMT Common Mode Line Filter, 4-leads, body 3.2x1.6mm"
  rect 1.1x0.6 smd: 1(-1.35,0.5) 2(1.35,0.5) 3(1.35,-0.5) 4(-1.35,-0.5)
  silkscreen extent -1.4,-0.9 0.5,1.3, body extent -1.6,-0.8 1.6,0.8, height 1.79
WE-TVS_DFN3810-9L [mm] "TVS Diode, package DFN3810-9L"
  rect 0.2x0.6 smd: 1(-1.7,-0.475) 2(-0.8,-0.475) 3(0,-0.475) 4(0.8,-0.475) 5(1.7,-0.475) 6(1.3,0.475) 7(0.4,0.475) 8(-0.4,0.475) 9(-1.3,0.475)
  silkscreen extent -1.8,-1.3 -1.6,-1.1, body extent -1.9,-0.5 1.9,0.5, height 0.5
WHZ1602W2-TMI-CW# [mm]
  body extent -40.45,-17.67 39.55,18.33, height 18.2